# KiCad board Common_Rail_MC33816.kicad_pcb
title: Common Rail MC33816 board; date: 2020-11-26; rev: R0.3.3; company: http://rusefi.com/
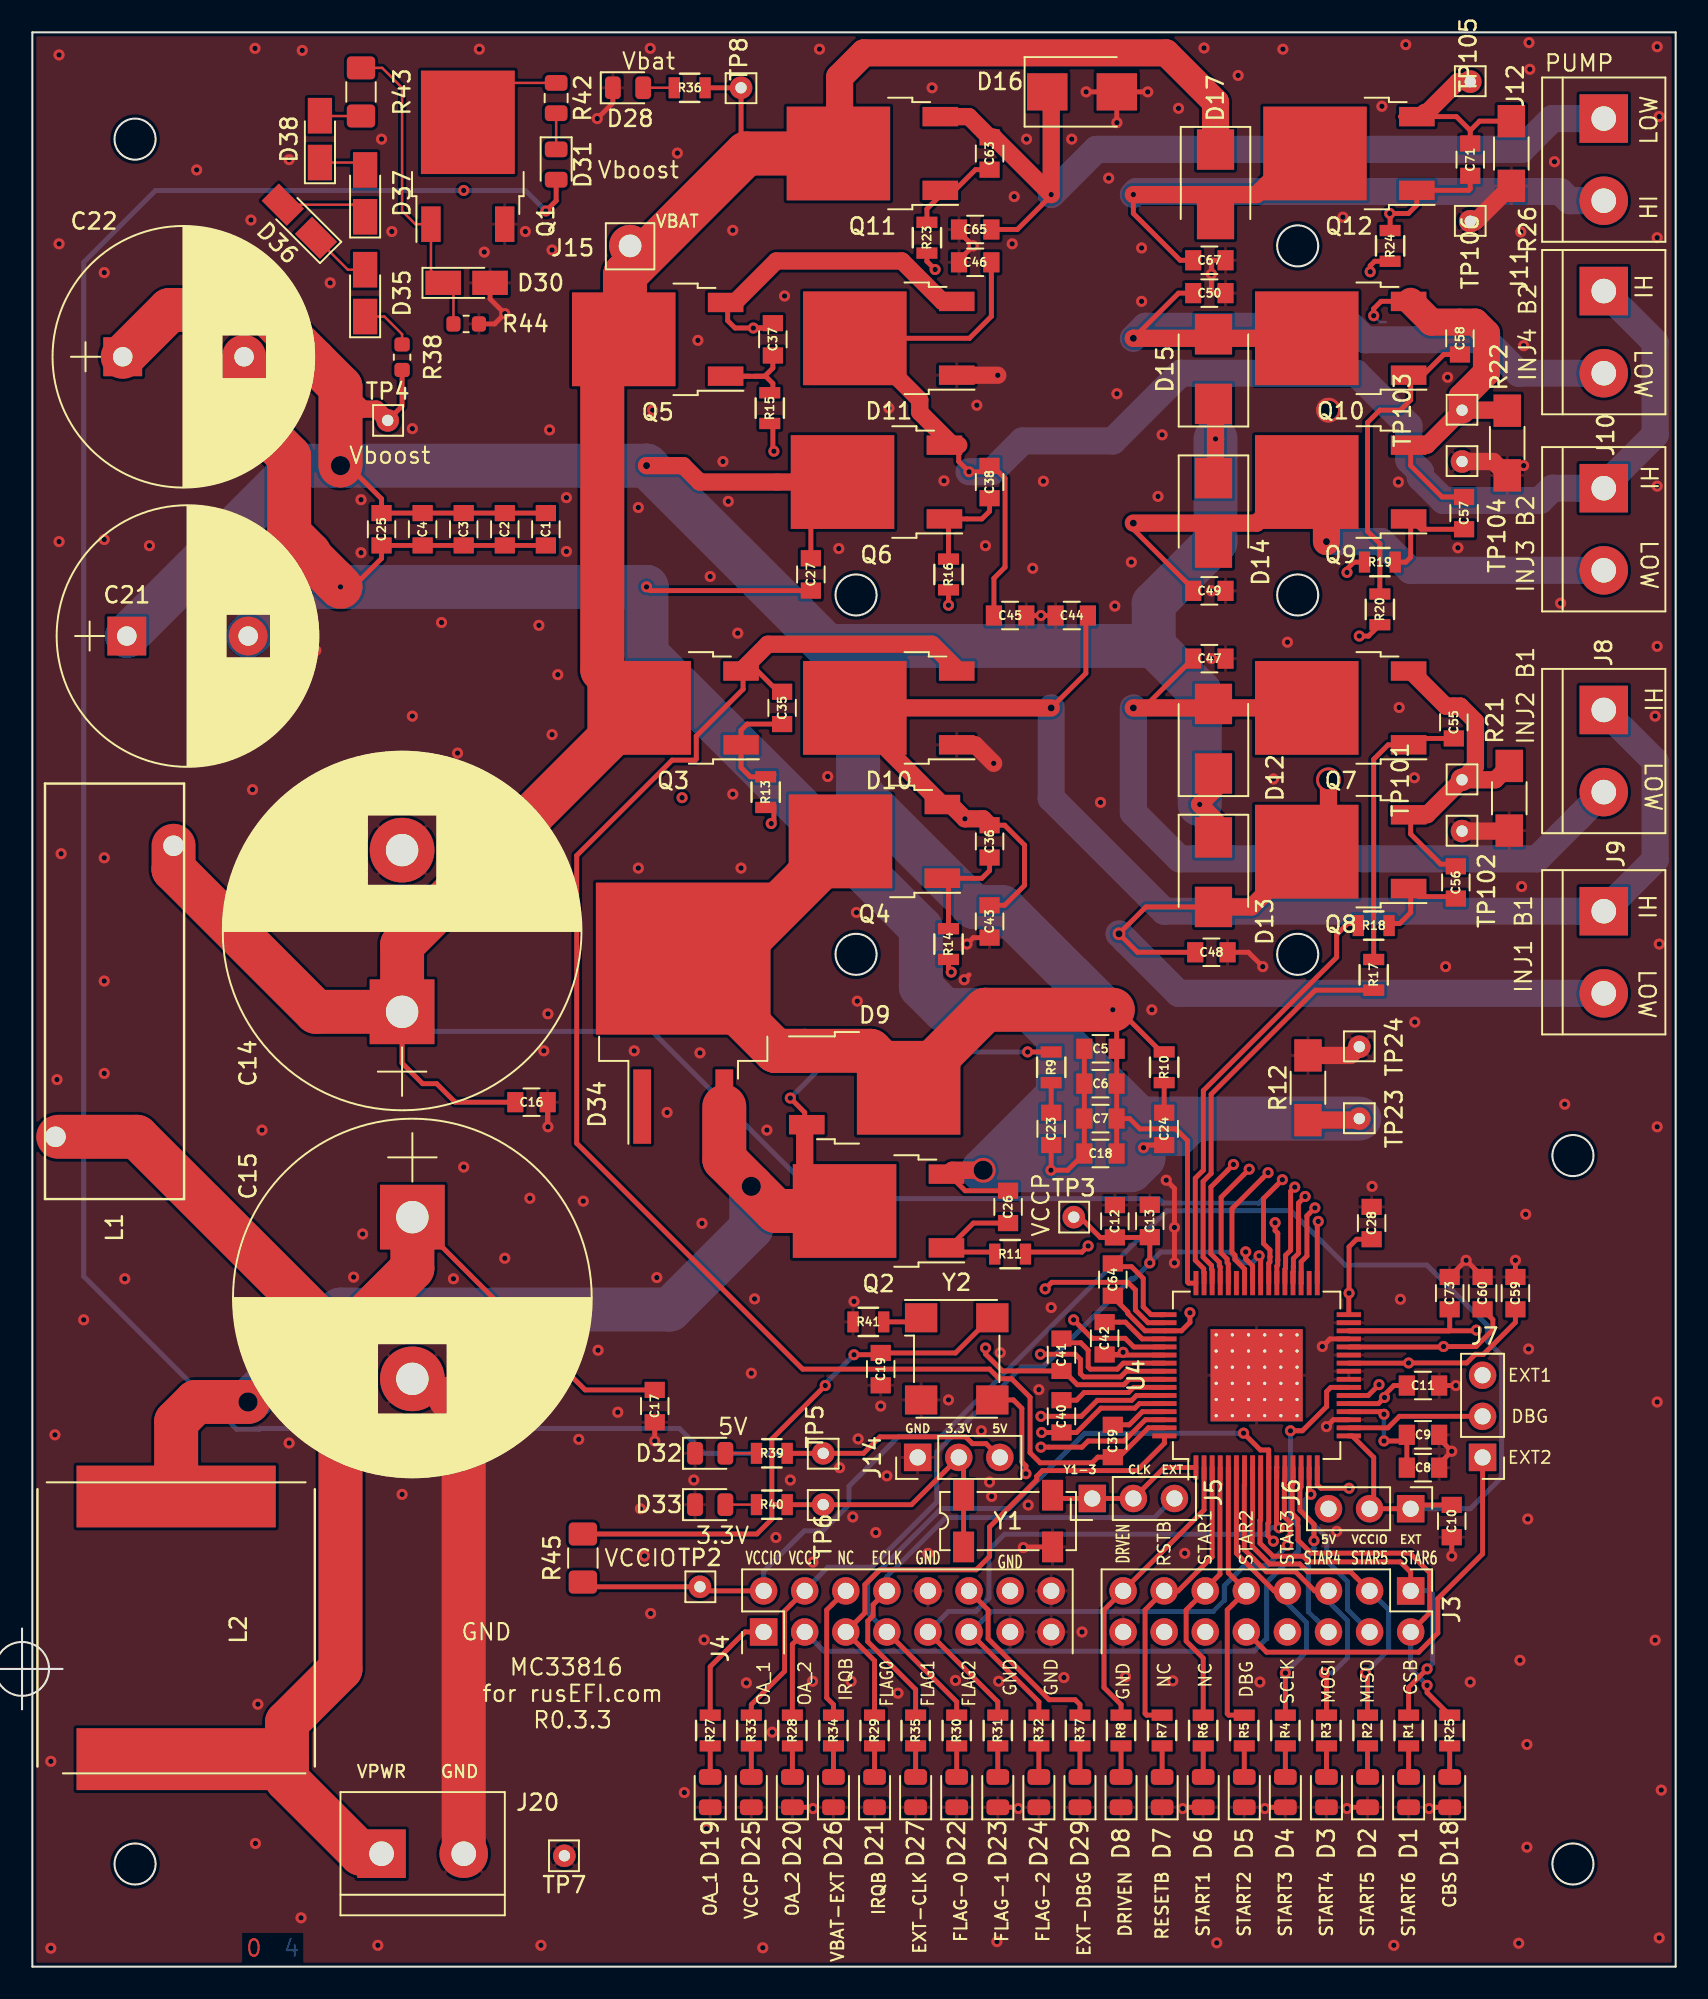
[diagram p0: board, top side]
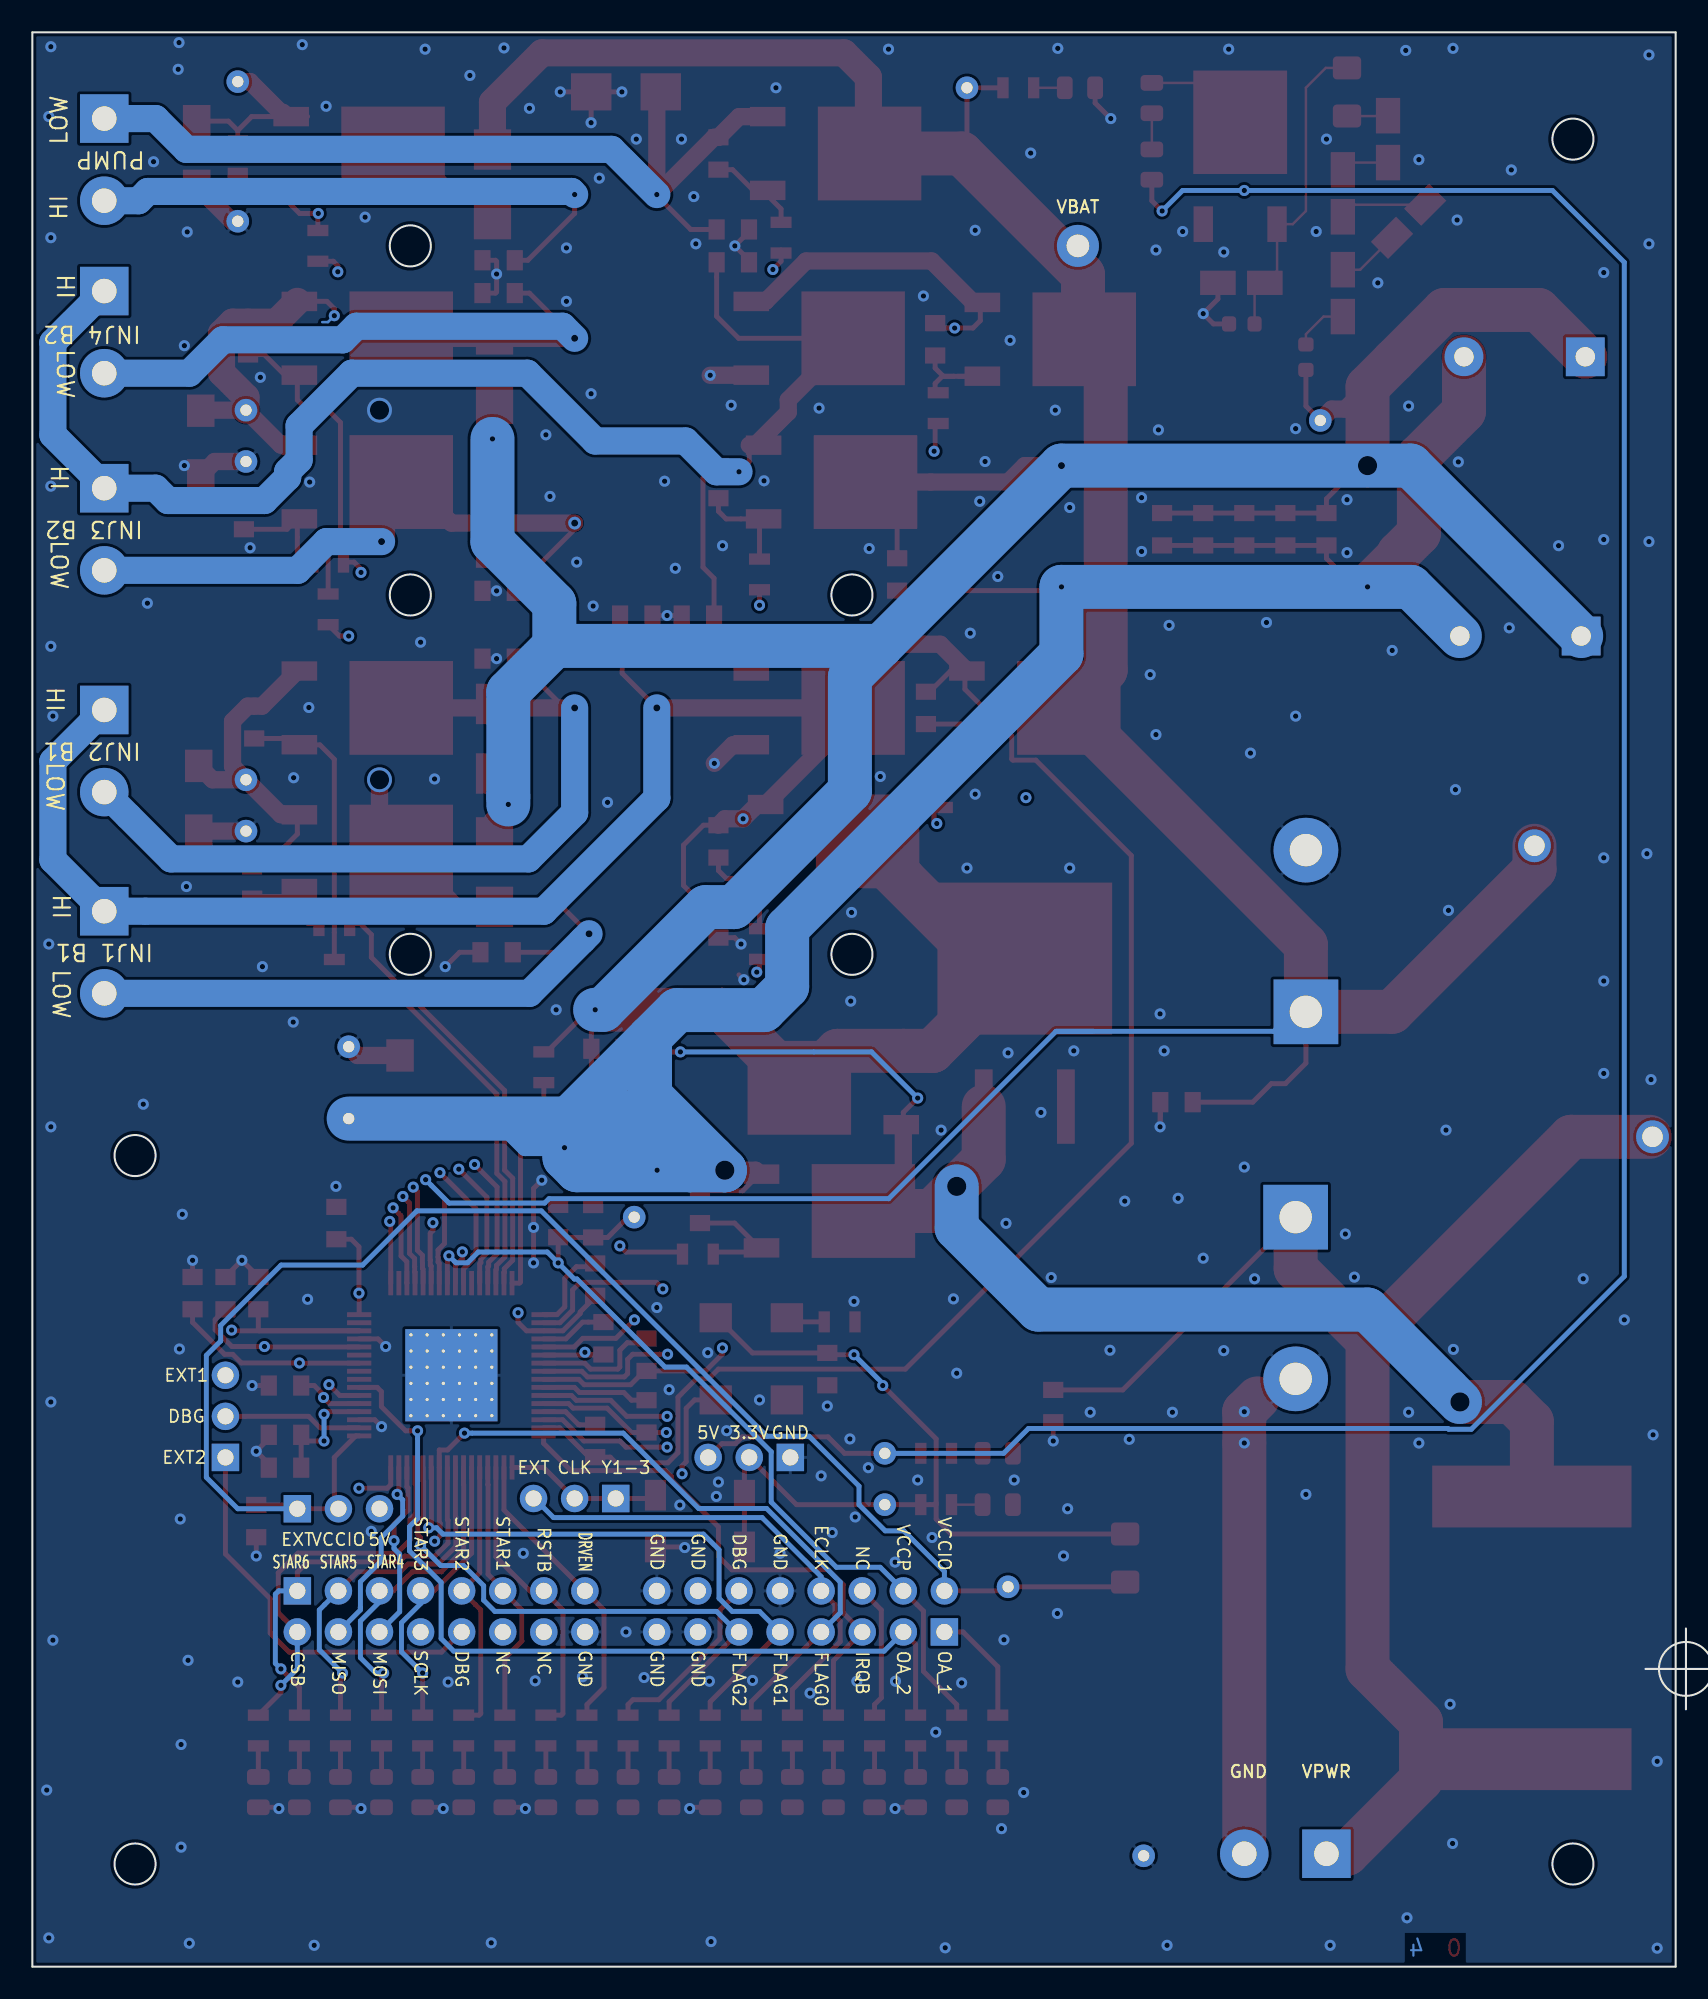
[diagram p1: board, bottom side, seen from below]

Outline 101.6 x 119.63 mm; copper layers: Top, PWR_AN (plane), GND (plane), Bottom. Coordinates in mm from the lower left corner of the outline.
Outline path: circle c6.35,113.03 r1.27 ; circle c6.35,6.35 r1.27 ; circle c50.93,84.84 r1.27 ; circle c50.93,62.61 r1.27 ; circle c78.23,106.43 r1.27 ; circle c78.23,84.84 r1.27 ; circle c78.23,62.61 r1.27 ; circle c95.25,50.16 r1.27 ; circle c95.25,6.35 r1.27 ; 0,119.63 0,0 101.6,0 101.6,119.63 0,119.63

## Placement (name value [footprint] x y rotation side)
C1  100nF  [C_0805]  31.75 88.9 270 top
C2  10nF  [C_0805]  29.21 88.9 270 top
C3  100nF  [C_0805]  26.67 88.9 270 top
C4  10nF  [C_0805]  24.13 88.9 270 top
C5  100nF  [C_0805]  66.04 56.77 180 top
C6  10nF  [C_0805]  66.04 54.61 180 top
C7  100nF  [C_0805]  66.04 52.45 180 top
C8  0.1uF  [C_0805]  85.98 30.86 0 top
C9  1uF  [C_0805]  85.98 32.89 0 top
C10  0.1uF  [C_0805]  87.76 27.56 270 top
C11  0.1uF  [C_0805]  85.98 35.94 0 top
C12  4.7uF  [C_0805]  66.93 46.1 90 top
C13  0.1uF  [C_0805]  69.09 46.12 90 top
C14  1000uF  [CP_Radial_D22.0mm_P10.00mm_SnapIn]  22.86 59.05 90 top
C15  1000uF  [CP_Radial_D22.0mm_P10.00mm_SnapIn]  23.5 46.35 270 top
C16  220nF  [C_0805]  30.86 53.47 0 top
C17  220nF  [C_0805]  38.48 34.67 270 top
C18  10nF  [C_0805]  66.04 50.29 180 top
C19  1000pF  [C_0805]  52.45 36.96 270 top
C21  390uF  [CP_Radial_D16.0mm_P7.50mm]  5.84 82.3 0 top
C22  390uF  [CP_Radial_D16.0mm_P7.50mm]  5.59 99.57 0 top
C23  330pF  [C_0805]  62.99 51.82 270 top
C24  330pF  [C_0805]  69.98 51.82 270 top
C25  0.22uF  [C_0805]  21.59 88.9 270 top
C26  470pF  [C_0805]  60.33 46.99 270 top
C27  0.22uF  [C_0805]  48.13 86.11 270 top
C28  330pF  [C_0805]  82.8 45.99 90 top
C35  1000pF  [C_0805]  46.36 77.85 90 top
C36  1000pF  [C_0805]  59.18 69.6 90 top
C37  1000pF  [C_0805]  45.78 100.65 90 top
C38  1000pF  [C_0805]  59.18 91.82 90 top
C39  0.33uF  [C_0805]  66.8 32.51 270 top
C40  0.33uF  [C_0805]  63.63 34.04 270 top
C41  0.33uF  [C_0805]  63.63 37.85 270 top
C42  0.33uF  [C_0805]  66.29 38.86 270 top
C43  4700pF  [C_0805]  59.18 64.64 270 top
C44  4700pF  [C_0805]  64.26 83.57 180 top
C45  4700pF  [C_0805]  60.45 83.57 0 top
C46  4700pF  [C_0805]  58.29 105.41 180 top
C47  4700pF  [C_0805]  72.77 80.9 0 top
C48  4700pF  [C_0805]  72.9 62.74 0 top
C49  4700pF  [C_0805]  72.77 85.09 0 top
C50  4700pF  [C_0805]  72.77 103.5 0 top
C55  1000pF  [C_0805]  87.88 76.96 270 top
C56  1000pF  [C_0805]  88.01 67.06 270 top
C57  1000pF  [C_0805]  88.52 89.9 270 top
C58  1000pF  [C_0805]  88.27 100.71 270 top
C59  330pF  [C_0805]  91.69 41.66 90 top
C60  330pF  [C_0805]  89.66 41.66 90 top
C63  1000pF  [C_0805]  59.18 112.14 90 top
C64  0.33uF  [C_0805]  66.8 42.49 90 top
C65  4700pF  [C_0805]  58.29 107.44 180 top
C67  4700pF  [C_0805]  72.77 105.54 0 top
C71  1000pF  [C_0805]  88.9 111.76 270 top
C73  330pF  [C_0805]  87.63 41.66 90 top
D1  LED_Small  [LED_0805_2012Metric]  85.09 10.79 90 top
D2  LED_Small  [LED_0805_2012Metric]  82.55 10.79 90 top
D3  LED_Small  [LED_0805_2012Metric]  80.01 10.79 90 top
D4  LED_Small  [LED_0805_2012Metric]  77.47 10.79 90 top
D5  LED_Small  [LED_0805_2012Metric]  74.93 10.79 90 top
D6  LED_Small  [LED_0805_2012Metric]  72.39 10.79 90 top
D7  LED_Small  [LED_0805_2012Metric]  69.85 10.79 90 top
D8  LED_Small  [LED_0805_2012Metric]  67.31 10.79 90 top
D9  FFD10UP20S  [TO-252-2]  52.08 54.36 0 top
D10  SBR10200CTL  [TO-252-2]  52.95 77.85 180 top
D11  SBR10200CTL  [TO-252-2]  52.95 100.71 180 top
D12  STPS2H100UY  [D_SMB]  73.02 75.95 90 top
D13  STPS2H100UY  [D_SMB]  73.02 67.69 270 top
D14  STPS2H100UY  [D_SMB]  73.02 89.92 270 top
D15  STPS2H100UY  [D_SMB]  73.02 98.81 90 top
D16  STPS2H100UY  [D_SMB]  64.9 115.95 0 top
D17  STPS2H100UY  [D_SMB]  73.15 110.24 270 top
D18  LED_Small  [LED_0805_2012Metric]  87.63 10.79 90 top
D19  LED_Small  [LED_0805_2012Metric]  41.91 10.79 90 top
D20  LED_Small  [LED_0805_2012Metric]  46.99 10.79 90 top
D21  LED_Small  [LED_0805_2012Metric]  52.07 10.79 90 top
D22  LED_Small  [LED_0805_2012Metric]  57.15 10.79 90 top
D23  LED_Small  [LED_0805_2012Metric]  59.69 10.79 90 top
D24  LED_Small  [LED_0805_2012Metric]  62.23 10.79 90 top
D25  LED_Small  [LED_0805_2012Metric]  44.45 10.79 90 top
D26  LED_Small  [LED_0805_2012Metric]  49.53 10.79 90 top
D27  LED_Small  [LED_0805_2012Metric]  54.61 10.79 90 top
D28  LED_Small  [LED_0805_2012Metric]  36.83 116.2 0 top
D29  LED_Small  [LED_0805_2012Metric]  64.77 10.79 90 top
D30  5.7V  [D_MicroMELF_Handsoldering]  26.85 104.14 0 top
D31  LED_Small  [LED_0805_2012Metric]  32.39 111.46 270 top
D32  LED_Small  [LED_0805_2012Metric]  41.91 31.75 0 top
D33  LED_Small  [LED_0805_2012Metric]  41.91 28.57 0 top
D34  STTH802G-TR  [TO-263-2]  40.24 58.97 90 top
D35  5.7V  [D_MicroMELF_Handsoldering]  20.57 103.5 90 top
D36  5.7V  [D_MicroMELF_Handsoldering]  16.51 107.95 135 top
D37  5.7V  [D_MicroMELF_Handsoldering]  20.57 109.67 90 top
D38  5.7V  [D_MicroMELF_Handsoldering]  17.78 113.03 90 top
J3  CONN_02X08  [Pin_Header_Straight_2x08_Pitch2.54mm]  85.22 23.24 270 top
J4  CONN_02X08  [Pin_Header_Straight_2x08_Pitch2.54mm]  45.21 20.7 90 top
J5  CONN_01X03  [Pin_Header_Straight_1x03_Pitch2.54mm]  65.53 28.96 90 top
J6  CONN_01X03  [Pin_Header_Straight_1x03_Pitch2.54mm]  85.22 28.32 270 top
J7  CONN_01X03  [Pin_Header_Straight_1x03_Pitch2.54mm]  89.66 31.5 180 top
J8  INJ_Term  [TerminalBlock_bornier-2_P5.08mm]  97.15 77.72 270 top
J9  INJ_Term  [TerminalBlock_bornier-2_P5.08mm]  97.15 65.28 270 top
J10  INJ_Term  [TerminalBlock_bornier-2_P5.08mm]  97.15 91.44 270 top
J11  INJ_Term  [TerminalBlock_bornier-2_P5.08mm]  97.15 103.63 270 top
J12  INJ_Term  [TerminalBlock_bornier-2_P5.08mm]  97.15 114.3 270 top
J14  CONN_01X03  [Pin_Header_Straight_1x03_Pitch2.54mm]  54.74 31.5 90 top
J15  CONN_01X01  [Pin_D1.4mm_L8.5mm_W2.8mm_FlatFork]  36.96 106.43 0 top
J20  Conn_01x02  [TerminalBlock_bornier-2_P5.08mm]  21.59 6.98 0 top
L1  6uH  [744710610-Inductor]  5.08 60.32 90 top
L2  10uH  [IHLP6767GZER100M01]  8.89 20.95 270 top
Q1  BUK9230-100B  [TO-252-2]  26.92 111.97 90 top
Q2  BUK9230-100B  [TO-252-2]  52.32 46.74 180 top
Q3  BUK9230-100B  [TO-252-2]  39.62 77.85 180 top
Q4  BUK9230-100B  [TO-252-2]  52.06 69.6 180 top
Q5  BUK9230-100B  [TO-252-2]  38.66 100.65 180 top
Q6  BUK9230-100B  [TO-252-2]  52.19 91.82 180 top
Q7  BUK9230-100B  [TO-252-2]  80.89 77.85 180 top
Q8  BUK9230-100B  [TO-252-2]  80.89 68.96 180 top
Q9  BUK9230-100B  [TO-252-2]  80.89 91.82 180 top
Q10  BUK9230-100B  [TO-252-2]  80.89 100.71 180 top
Q11  BUK9230-100B  [TO-252-2]  51.94 112.14 180 top
Q12  BUK9230-100B  [TO-252-2]  81.4 112.14 180 top
R1  1k  [R_0805]  85.09 14.6 90 top
R2  1k  [R_0805]  82.55 14.6 90 top
R3  1k  [R_0805]  80.01 14.6 90 top
R4  1k  [R_0805]  77.47 14.6 90 top
R5  1k  [R_0805]  74.93 14.6 90 top
R6  1k  [R_0805]  72.39 14.6 90 top
R7  1k  [R_0805]  69.85 14.6 90 top
R8  1k  [R_0805]  67.31 14.6 90 top
R9  5.1R  [R_0805]  62.99 55.63 270 top
R10  5.1R  [R_0805]  69.98 55.63 270 top
R11  10R  [R_0805]  60.45 44.07 0 top
R12  0R010  [R_1206_HandSoldering]  78.87 54.36 90 top
R13  10R  [R_0805]  45.34 72.64 270 top
R14  10R  [R_0805]  56.64 63.25 270 top
R15  10R  [R_0805]  45.59 96.39 270 top
R16  10R  [R_0805]  56.64 86.11 270 top
R17  10R  [R_0805]  82.93 61.34 270 top
R18  10R  [R_0805]  82.93 64.39 180 top
R19  10R  [R_0805]  83.31 86.87 180 top
R20  10R  [R_0805]  83.31 83.95 270 top
R21  0R010  [R_1206_HandSoldering]  91.31 72.26 270 top
R22  0R010  [R_1206_HandSoldering]  91.19 94.23 270 top
R23  10R  [R_0805]  55.31 106.93 270 top
R24  10R  [R_0805]  83.95 106.43 270 top
R25  1k  [R_0805]  87.63 14.6 90 top
R26  0R010  [R_1206_HandSoldering]  91.44 112.14 270 top
R27  1k  [R_0805]  41.91 14.6 90 top
R28  1k  [R_0805]  46.99 14.6 90 top
R29  1k  [R_0805]  52.07 14.6 90 top
R30  1k  [R_0805]  57.15 14.6 90 top
R31  1k  [R_0805]  59.69 14.6 90 top
R32  1k  [R_0805]  62.23 14.6 90 top
R33  1k  [R_0805]  44.45 14.6 90 top
R34  1k  [R_0805]  49.53 14.6 90 top
R35  1k  [R_0805]  54.61 14.6 90 top
R36  1k  [R_0805]  40.64 116.2 0 top
R37  1k  [R_0805]  64.77 14.6 90 top
R38  10k  [R_0603_1608Metric]  22.86 99.54 270 top
R39  1k  [R_0805]  45.72 31.75 0 top
R40  1k  [R_0805]  45.72 28.57 0 top
R41  10R  [R_0805]  51.69 39.88 0 top
R42  1k  [R_0805_2012Metric]  32.39 115.57 270 top
R43  0R010  [R_1206_3216Metric_Pad1.42x1.75mm_HandSolder]  20.32 115.95 90 top
R44  10k  [R_0603_1608Metric]  26.82 101.6 180 top
R45  0R010  [R_1206_3216Metric_Pad1.42x1.75mm_HandSolder]  34.04 25.27 270 top
TP2  CONN_01X01  [Pin_D0.7mm_L6.5mm_W1.8mm_FlatFork]  41.27 23.49 180 top
TP3  CONN_01X01  [Pin_D0.7mm_L6.5mm_W1.8mm_FlatFork]  64.39 46.35 180 top
TP4  CONN_01X01  [Pin_D0.7mm_L6.5mm_W1.8mm_FlatFork]  21.97 95.63 180 top
TP5  CONN_01X01  [Pin_D0.7mm_L6.5mm_W1.8mm_FlatFork]  48.89 31.75 90 top
TP6  CONN_01X01  [Pin_D0.7mm_L6.5mm_W1.8mm_FlatFork]  48.89 28.57 90 top
TP7  CONN_01X01  [Pin_D0.7mm_L6.5mm_W1.8mm_FlatFork]  32.89 6.86 0 top
TP8  CONN_01X01  [Pin_D0.7mm_L6.5mm_W1.8mm_FlatFork]  43.81 116.2 90 top
TP23  CONN_01X01  [Pin_D0.7mm_L6.5mm_W1.8mm_FlatFork]  82.04 52.45 270 top
TP24  CONN_01X01  [Pin_D0.7mm_L6.5mm_W1.8mm_FlatFork]  82.04 56.9 270 top
TP101  CONN_01X01  [Pin_D0.7mm_L6.5mm_W1.8mm_FlatFork]  88.39 73.41 270 top
TP102  CONN_01X01  [Pin_D0.7mm_L6.5mm_W1.8mm_FlatFork]  88.39 70.23 270 top
TP103  CONN_01X01  [Pin_D0.7mm_L6.5mm_W1.8mm_FlatFork]  88.39 96.27 270 top
TP104  CONN_01X01  [Pin_D0.7mm_L6.5mm_W1.8mm_FlatFork]  88.39 93.09 270 top
TP105  CONN_01X01  [Pin_D0.7mm_L6.5mm_W1.8mm_FlatFork]  88.9 116.59 270 top
TP106  CONN_01X01  [Pin_D0.7mm_L6.5mm_W1.8mm_FlatFork]  88.9 107.95 270 top
U4  MC33816  [HTQFP-64-1EP_10x10mm_Pitch0.5mm_ThermalPad_for_MC33816]  75.69 36.58 90 top
Y1  1MHz  [Crystal_SMD_SeikoEpson_MC306-4pin_8.0x3.2mm]  60.33 27.56 0 top
Y2  1MHz  [Oscillator_SMD_Diodes_FN-4Pin_7.0x5.0mm]  57.15 37.59 0 top

## Footprints (pads in the part's own frame, mm; a bottom-side part is the same pattern mirrored in y, then rotated)
744710610-Inductor
  round 2.032 hole 1.27: 1(-9,3.65) 2(9,-3.65)
C_0805
  rect 1x1.25 smd: 1(-1,0) 2(1,0)
CP_Radial_D16.0mm_P7.50mm
  rect 2.4x2.4 hole 1.2: 1(0,0)
  round 2.4 hole 1.2: 2(7.5,0)
CP_Radial_D22.0mm_P10.00mm_SnapIn
  rect 4x4 hole 2: 1(0,0)
  round 4 hole 2: 2(10,0)
Crystal_SMD_SeikoEpson_MC306-4pin_8.0x3.2mm
  rect 1.3x1.9 smd: 1(-2.75,-1.6) 2(2.75,-1.6) 3(2.75,1.6) 4(-2.75,1.6)
D_MicroMELF_Handsoldering
  rect 2.2x1.5 smd: 1(-1.45,0) 2(1.45,0)
D_SMB
  rect 2.5x2.3 smd: 1(-2.15,0) 2(2.15,0)
HTQFP-64-1EP_10x10mm_Pitch0.5mm_ThermalPad_for_MC33816
  rect 1.5x0.3 smd: 1(-5.7,3.75) 2(-5.7,3.25) 3(-5.7,2.75) 4(-5.7,2.25) 5(-5.7,1.75) 6(-5.7,1.25) 7(-5.7,0.75) 8(-5.7,0.25) 9(-5.7,-0.25) 10(-5.7,-0.75) 11(-5.7,-1.25) 12(-5.7,-1.75) 13(-5.7,-2.25) 14(-5.7,-2.75) 15(-5.7,-3.25) 16(-5.7,-3.75) 33(5.7,-3.75) 34(5.7,-3.25) 35(5.7,-2.75) 36(5.7,-2.25) 37(5.7,-1.75) 38(5.7,-1.25) 39(5.7,-0.75) 40(5.7,-0.25) 41(5.7,0.25) 42(5.7,0.75) 43(5.7,1.25) 44(5.7,1.75) 45(5.7,2.25) 46(5.7,2.75) 47(5.7,3.25) 48(5.7,3.75)
  rect 0.3x1.5 smd: 17(-3.75,-5.7) 18(-3.25,-5.7) 19(-2.75,-5.7) 20(-2.25,-5.7) 21(-1.75,-5.7) 22(-1.25,-5.7) 23(-0.75,-5.7) 24(-0.25,-5.7) 25(0.25,-5.7) 26(0.75,-5.7) 27(1.25,-5.7) 28(1.75,-5.7) 29(2.25,-5.7) 30(2.75,-5.7) 31(3.25,-5.7) 32(3.75,-5.7) 49(3.75,5.7) 50(3.25,5.7) 51(2.75,5.7) 52(2.25,5.7) 53(1.75,5.7) 54(1.25,5.7) 55(0.75,5.7) 56(0.25,5.7) 57(-0.25,5.7) 58(-0.75,5.7) 59(-1.25,5.7) 60(-1.75,5.7) 61(-2.25,5.7) 62(-2.75,5.7) 63(-3.25,5.7) 64(-3.75,5.7)
  round 0.3 hole 0.2: 65(-2.5,2.5) 65(-2.5,1.5) 65(-2.5,0.5) 65(-2.5,-0.5) 65(-2.5,-1.5) 65(-2.5,-2.5) 65(-1.5,2.5) 65(-1.5,1.5) 65(-1.5,0.5) 65(-1.5,-0.5) 65(-1.5,-1.5) 65(-1.5,-2.5) 65(-0.5,2.5) 65(-0.5,1.5) 65(-0.5,0.5) 65(-0.5,-0.5) 65(-0.5,-1.5) 65(-0.5,-2.5) 65(0.5,2.5) 65(0.5,1.5) 65(0.5,0.5) 65(0.5,-0.5) 65(0.5,-1.5) 65(0.5,-2.5) 65(1.5,2.5) 65(1.5,1.5) 65(1.5,0.5) 65(1.5,-0.5) 65(1.5,-1.5) 65(1.5,-2.5) 65(2.5,2.5) 65(2.5,1.5) 65(2.5,0.5) 65(2.5,-0.5) 65(2.5,-1.5) 65(2.5,-2.5)
  rect 5.7x5.7 smd: 65(0,0)
  rect 5.7x5.7 smd far side: 65(0,0)
IHLP6767GZER100M01
  rect 3.825x12.32 smd: 1(-8.123,0) 2(8.123,0)
LED_0805_2012Metric
  rrect 0.975x1.4 smd: 1(-0.938,0) 2(0.938,0)
Oscillator_SMD_Diodes_FN-4Pin_7.0x5.0mm
  rect 2x1.8 smd: 1(-2.2,2.54) 2(-2.2,-2.54) 3(2.2,-2.54) 4(2.2,2.54)
Pin_D0.7mm_L6.5mm_W1.8mm_FlatFork
  round 1.4 hole 0.7: 1(0,0)
Pin_D1.4mm_L8.5mm_W2.8mm_FlatFork
  round 2.6 hole 1.4: 1(0,0)
Pin_Header_Straight_1x03_Pitch2.54mm
  rect 1.7x1.7 hole 1: 1(0,0)
  oval 1.7x1.7 hole 1: 2(0,-2.54) 3(0,-5.08)
Pin_Header_Straight_2x08_Pitch2.54mm
  rect 1.7x1.7 hole 1: 1(0,0)
  oval 1.7x1.7 hole 1: 2(2.54,0) 3(0,-2.54) 4(2.54,-2.54) 5(0,-5.08) 6(2.54,-5.08) 7(0,-7.62) 8(2.54,-7.62) 9(0,-10.16) 10(2.54,-10.16) 11(0,-12.7) 12(2.54,-12.7) 13(0,-15.24) 14(2.54,-15.24) 15(0,-17.78) 16(2.54,-17.78)
R_0603_1608Metric
  rrect 0.875x0.95 smd: 1(-0.787,0) 2(0.787,0)
R_0805
  rect 0.7x1.3 smd: 1(-0.95,0) 2(0.95,0)
R_0805_2012Metric
  rrect 0.975x1.4 smd: 1(-0.938,0) 2(0.938,0)
R_1206_3216Metric_Pad1.42x1.75mm_HandSolder
  rrect 1.425x1.75 smd: 1(-1.488,0) 2(1.488,0)
R_1206_HandSoldering
  rect 2x1.7 smd: 1(-2,0) 2(2,0)
TerminalBlock_bornier-2_P5.08mm
  rect 3x3 hole 1.52: 1(0,0)
  round 3 hole 1.52: 2(5.08,0)
TO-252-2
  rect 3.05x2.75 smd: (0.425,1.525) (0.425,-1.525) (3.775,1.525) (3.775,-1.525)
  rect 2.2x1.2 smd: 1(-4.2,2.28) 3(-4.2,-2.28)
  rect 6.4x5.8 smd: 2(2.1,0)
TO-263-2
  rect 4.55x5.25 smd: (0.95,2.775) (0.95,-2.775) (5.8,2.775) (5.8,-2.775)
  rect 4.6x1.1 smd: 1(-5.775,2.54) 3(-5.775,-2.54)
  rect 9.4x10.8 smd: 2(3.375,0)

## Nets
/3.3V: C19.1 J14.2 R40.2 R45.1 TP6.1 Y1.1 Y1.4 Y2.4
/5V: C11.1 D31.2 J6.3 J14.3 R39.2 TP5.1 U4.21
/Vbat: C14.1 C16.1 D17.1 J15.1 L1.2 Q3.2 Q5.2 Q11.2 R36.2 TP8.1 U4.39
/VBAT_EXT: J4.6 R34.2
/VCC2P5: C8.1 C9.1 U4.20
/VCCIO: C10.1 J4.2 J6.1 J6.2 R45.2 TP2.1 U4.17
/VCCP: C12.1 C13.1 J4.4 R33.2 TP3.1 U4.40
GND: C8.2 C9.2 C10.2 C11.2 C12.2 C13.2 C14.2 C15.2 C16.2 C17.2 C19.2 C28.2 C43.2 C44.2 C45.2 C46.2 C47.2 C48.2 C49.2 C50.2 C59.2 C60.2 C65.2 C67.2 C73.2 D1.1 D2.1 D3.1 D4.1 D5.1 D6.1 D7.1 D8.1 D10.1 D11.1 D16.2 D18.1 D19.1 D20.1 D21.1 D22.1 D23.1 D24.1 D25.1 D26.1 D27.1 D28.1 D29.1 D30.2 D32.1 D33.1 J3.16 J4.10 J4.13 J4.15 J4.16 J14.1 J20.2 Q1.3 R12.2 R21.2 R22.2 R26.2 R41.1 R44.1 TP7.1 TP24.1 TP102.1 TP104.1 TP106.1 U4.19 U4.24 U4.25 U4.27 U4.29 U4.31 U4.65 Y1.2 Y2.2
/BANK1_BAT: C35.2 C39.2 D10.3 Q3.3 U4.63
/BANK2_BAT: C37.2 C41.2 D11.3 Q5.3 U4.57
/CLK: J5.1 J5.2 U4.1 Y1.3 Y2.3
/CSB: J3.2 R25.2 U4.13
/DBG: J7.2 U4.18
/DBG_EXT1: J4.12 J7.3 R37.2
/DBG_EXT2: J3.10 J7.1
/DRVEN: J3.15 R8.2 U4.2
/EXT_CLK: J4.8 J5.3 R35.2
/FLAG_0: J4.7 R30.2 U4.10
/FLAG_1: J4.9 R31.2 U4.11
/FLAG_2: J4.11 R32.2 U4.12
/G_HB1_BAT: R13.2 U4.62
/G_HB1_BST: R14.2 U4.59
/G_HB2_BAT: R15.2 U4.56
/G_HB2_BST: R16.2 U4.53
/G_L_BOOST: R11.2 U4.41
/G_L_INJ1: R18.2 U4.47
/G_L_INJ2: R17.2 U4.46
/G_L_INJ3: R19.2 U4.45
/G_L_INJ4: R20.2 U4.44
/G_LS6: R23.2 U4.50
/G_PUMP: R24.2 U4.42
/INJ1_LOW: C48.1 D13.2 J9.2 Q8.2 U4.38
/INJ2_LOW: C47.1 D12.2 J8.2 Q7.2 U4.37
/INJ3_LOW: C49.1 D14.2 J10.2 Q9.2 U4.36
/INJ4_LOW: C50.1 D15.2 J11.2 Q10.2 U4.35
/INJ_B1_HIGH: C36.2 C40.2 C43.1 C44.1 D10.2 J8.1 J9.1 Q4.3 U4.60
/INJ_B2_HIGH: C38.2 C42.2 C45.1 C46.1 D11.2 J10.1 J11.1 Q6.3 U4.54
/IRQB: J4.5 R29.2 U4.64
/MISO: J3.4 U4.15
/MOSI: J3.6 U4.14
/OA_1: J4.1 R27.2 U4.22
/OA_2: J4.3 R28.2 U4.23
/P_B1_SENSE: C55.1 C56.1 C59.1 Q7.3 Q8.3 R21.1 TP101.1 U4.26
/P_B2_SENSE: C57.1 C58.1 C60.1 Q9.3 Q10.3 R22.1 TP103.1 U4.28
/P_SENSE_BOOST: C1.2 C2.2 C3.2 C4.2 C5.2 C6.2 C7.2 C18.2 C21.2 C22.2 C23.2 C24.2 C25.2 C26.1 C27.2 C28.1 Q2.3 R12.1 TP23.1 U4.32
/P_SENSE_PUMP: C71.1 C73.1 Q12.3 R26.1 TP105.1 U4.30
/PUMP_HIGH: C63.2 C64.1 C65.1 D16.1 J12.1 Q11.3 U4.51
/PUMP_LOW: C67.1 D17.2 J12.2 Q12.2 U4.33
/RESETB: J3.13 R7.2 U4.3
/SCLK: J3.8 U4.16
/START1: J3.11 R6.2 U4.4
/START2: J3.9 R5.2 U4.5
/START3: J3.7 R4.2 U4.6
/START4: J3.5 R3.2 U4.7
/START5: J3.3 R2.2 U4.8
/START6: J3.1 R1.2 U4.9
/Vboost: C1.1 C2.1 C3.1 C4.1 C5.1 C6.1 C7.1 C18.1 C21.1 C22.1 C25.1 C27.1 D9.1 D9.2 D12.1 D13.1 D14.1 D15.1 D34.2 Q4.2 Q6.2 R10.1 R38.2 TP4.1 U4.48
/Vbuck: D9.3 D34.3 L2.1 Q2.2 R9.1
/Vpwr: C15.1 C17.1 J20.1 L1.1 L2.2
Net-(C23-Pad1): C23.1 R9.2
Net-(C24-Pad1): C24.1 R10.2
Net-(C26-Pad2): C26.2 Q2.1 R11.1
Net-(C35-Pad1): C35.1 Q3.1 R13.1
Net-(C36-Pad1): C36.1 Q4.1 R14.1
Net-(C37-Pad1): C37.1 Q5.1 R15.1
Net-(C38-Pad1): C38.1 Q6.1 R16.1
Net-(C39-Pad1): C39.1 U4.61
Net-(C40-Pad1): C40.1 U4.58
Net-(C41-Pad1): C41.1 U4.55
Net-(C42-Pad1): C42.1 U4.52
Net-(C55-Pad2): C55.2 Q7.1 R17.1
Net-(C56-Pad2): C56.2 Q8.1 R18.1
Net-(C57-Pad2): C57.2 Q9.1 R19.1
Net-(C58-Pad2): C58.2 Q10.1 R20.1
Net-(C63-Pad1): C63.1 Q11.1 R23.1
Net-(C64-Pad2): C64.2 U4.49
Net-(C71-Pad2): C71.2 Q12.1 R24.1
Net-(D1-Pad2): D1.2 R1.1
Net-(D2-Pad2): D2.2 R2.1
Net-(D3-Pad2): D3.2 R3.1
Net-(D4-Pad2): D4.2 R4.1
Net-(D5-Pad2): D5.2 R5.1
Net-(D6-Pad2): D6.2 R6.1
Net-(D7-Pad2): D7.2 R7.1
Net-(D8-Pad2): D8.2 R8.1
Net-(D18-Pad2): D18.2 R25.1
Net-(D19-Pad2): D19.2 R27.1
Net-(D20-Pad2): D20.2 R28.1
Net-(D21-Pad2): D21.2 R29.1
Net-(D22-Pad2): D22.2 R30.1
Net-(D23-Pad2): D23.2 R31.1
Net-(D24-Pad2): D24.2 R32.1
Net-(D25-Pad2): D25.2 R33.1
Net-(D26-Pad2): D26.2 R34.1
Net-(D27-Pad2): D27.2 R35.1
Net-(D28-Pad2): D28.2 R36.1
Net-(D29-Pad2): D29.2 R37.1
Net-(D30-Pad1): D30.1 Q1.1 R43.2 R44.2
Net-(D31-Pad1): D31.1 R42.2